# Altium PCB SHM.PcbDoc (part 3 of 3)
Units mil, origin at the board's own origin, x right, y up, seen from the top; angles counter-clockwise.
Board outline 4470 x 4125 mil, 4 copper layers (Top Layer, Ground plane, Power plane, Bottom Layer), stack 23.756 mil thick; 156 components, 117 nets, 776 pads, 684 vias.
Unrouted connection lines stored in the file: 45.
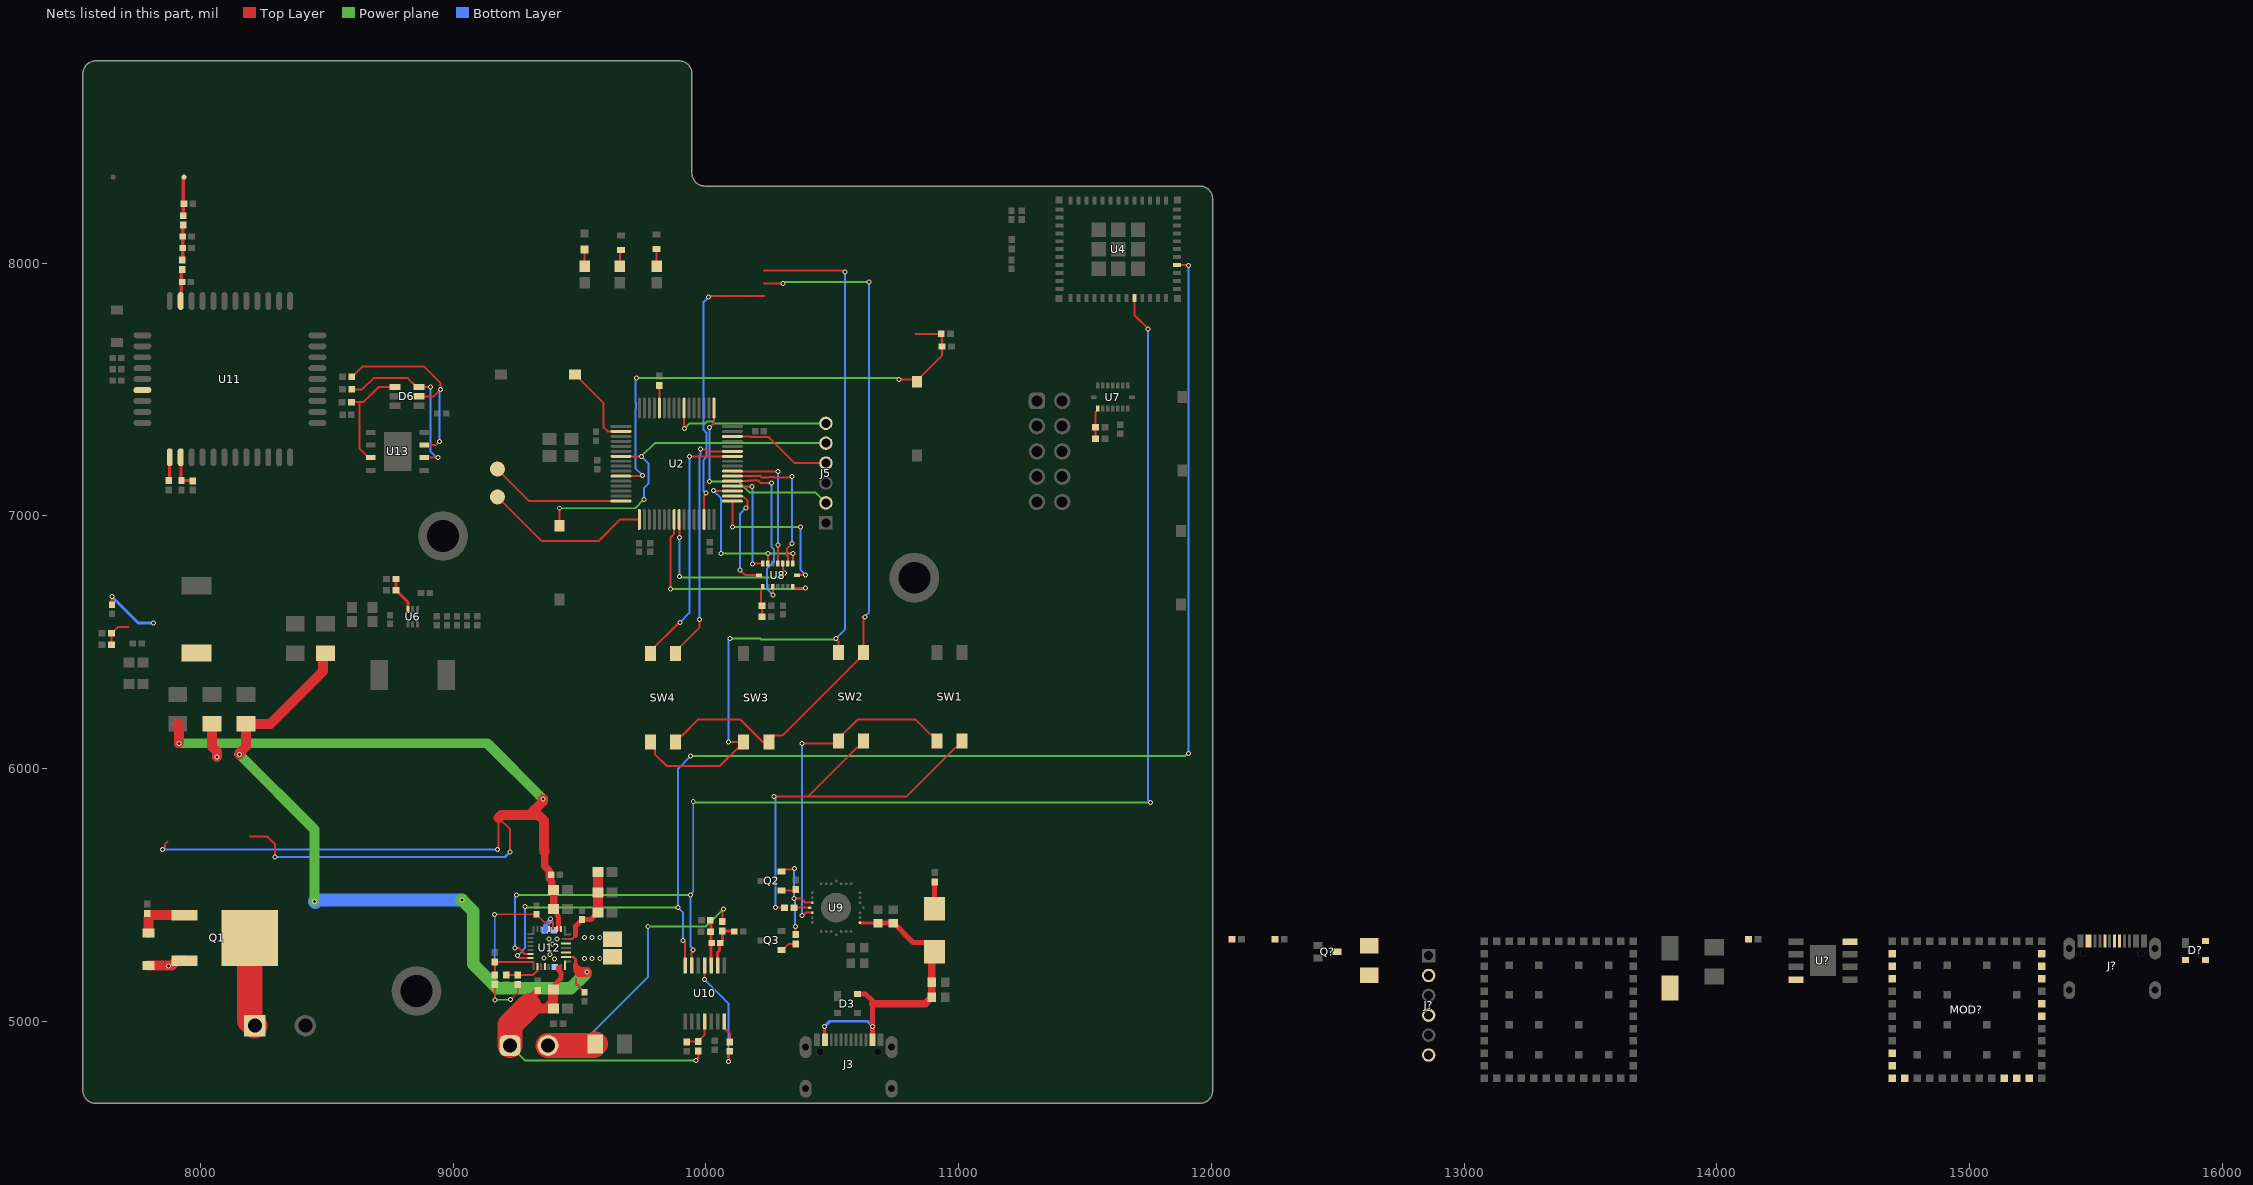
[diagram p5: the nets of this part, all layers, seen from the top]

## Via types
v1: diameter 19.68, hole 11.81, Top Layer to Bottom Layer, tented both sides, 684 vias

## Nets (pads, with @x,y where several pads share a name; then routed paths per layer and width w, separated by ;. In a path a pad name is that pad's centre, name@x,y a point inside that pad or via, vN(x,y) a via of type N, cw(c..) or ccw(c..) an arc to the next point about the centre after c; other vN are vias at no path point) (continued)
NetC44_1: C44.1 C46.2 R37.2 U10.10 | length 181.1
  Top Layer w11.81: C46.2@10017.32,5400 10019.61,5397.72 10019.61,5221.22 U10.10@10020.59,5220.24
NetC44_2: C44.2 C45.2 R34.2 U10.9 | length 194.4
  Top Layer w11.81: U10.9@10046.18,5220.24 10046.18,5272.74 10053.52,5280.08 10053.52,5306.2 10054.31,5306.2 10065,5316.89 R34.2@10065,5357.6 10066.3,5356.3 10111.38,5356.3 C45.2@10112.68,5355
NetC57_2: C57.2 C58.2 C59.2 R?.2@12625,5298.07 U12.2 U12.3 | length 5057.7
  Top Layer w7.87: v1(7850,5680) 7858.86,5688.86 7858.86,5701.14 7867.72,5710 7868.7,5710 ; 8195.08,5730.43 8264.57,5730.43 8295,5700 v1(8295,5650) ; v1(9175,5680) 9178.98,5683.98 9178.98,5805 9225,5758.98 v1(9225,5670)
  Top Layer w19.68: 9411.18,5420.81 9414.68,5417.3 9414.68,5411.73 9417.4,5409.01 9417.4,5366.77
  Top Layer w29.53: 9362.18,5670 9362.18,5612.82 9380,5595 9380,5565.11 9390.43,5554.68 9390.43,5525.04 9395.47,5520 C58.2@9397.42,5520 C57.2@9397.42,5445
  Top Layer w39.37: 7910,6176.93 7915,6171.93 v1(7915,6100) ; 9178.98,5805 9190.36,5816.38 9301.38,5816.38 ; v1(9355,5880) 9355,5870 9301.38,5816.38 ; 9362.18,5670 9362.18,5675.95 9359.14,5679 9359.14,5763.07 9359.03,5763.18 9359.03,5794.29 9336.94,5816.38 9301.38,5816.38
  Power plane w39.37: v1(7915,6100) 9135,6100 v1(9355,5880)
  Bottom Layer w7.87: v1(7850,5680) v1(9175,5680) ; v1(8295,5650) 9205,5650 v1(9225,5670)
NetC60_2: C60.2 R44.2 U11.32 | length 127.3
  Top Layer w13.78: U11.32@7921.77,7850 7923.65,7851.88 7923.65,7971.33 R44.2@7927.32,7975
NetC61_2: C61.2 C62.2 R44.1 R45.2 | length 139.7
  Top Layer w13.78: R44.1@7927.32,8012.4 7929.82,8014.9 7929.82,8147.5 R45.2@7932.32,8150
NetC63_2: C63.2 R45.1 RF_PCB1.1 | length 153.7
  Top Layer w13.78: R45.1@7932.32,8187.4 7932.32,8335.64 7935,8338.32 RF_PCB1.1@7935,8340
NetC64_1: C64.1 L4.2 U12.26
  other v1: 9392.99,5305.92 9379.06,5324.85 9410,5325 9520.07,5330.88 9550.07,5330.88 9580.07,5330.88
NetC64_2: C64.2 U12.19 | length 100.6
  Top Layer w7.87: v1(9385.46,5405.6) 9385.46,5402.4 9395.75,5392.12 9395.75,5364.8
  Bottom Layer w19.68: C64.2@9362.68,5360 9363.46,5360 9365.83,5362.36 9365.83,5378.76 9385.46,5398.39 v1(9385.46,5405.6)
NetC69_2: C69.2 L4.1 U12.28
  other v1: 9400.96,5245.44 9520.07,5249.12 9550.07,5249.12 9580.07,5249.12 9360,5250 9383.95,5264.52
NetD2_2: D2.2 Q1.1 R7.2 | length 206.9
  Top Layer w39.37: D2.2@7795,5349.37 7795,5410 7805,5420 Q1.1@7937.13,5420
NetD4_1: D4.1 R23.1 | length 106.7
  Top Layer w19.68: D4.1@10905,5444.65 R23.1@10905,5551.3
NetJ2_1: J2.1 Q1.2 | length 355.8
  Top Layer w100: Q1.2@8195,5330 8195,5002.48 J2.1@8215,4982.48
NetJ4_2: J4.2 R34.1 R36.1 | length 1277.8
  Top Layer w7.87: R34.1@10065,5395 10065,5440 v1(10070,5445)
  Top Layer w100: J4.2@9375,4903.86 9555.79,4903.86 R36.1@9561.93,4910
  Power plane w7.87: v1(9770,5375) 10000,5375 v1(10070,5445)
  Bottom Layer w7.87: J4.2@9375,4903.86 9498.86,4903.86 9770,5175 v1(9770,5375)
NetLED1_1: LED1.1 R1.1 | length 69
  Top Layer w7.87: R1.1@9805,7987.48 LED1.1@9805,8056.46
NetLED2_1: LED2.1 R2.1 | length 66
  Top Layer w7.87: R2.1@9660,7987.48 9660,8046.46 LED2.1@9665,8051.46
NetLED3_2: LED3.2 R3.1 | length 66
  Top Layer w7.87: R3.1@9520,7987.48 LED3.2@9520,8053.5
NetQ2_1: Q2.1 R41.1 | length 56.8
  Top Layer w7.87: Q2.1@10299.76,5517.6 10351.3,5517.6 R41.1@10355,5521.3
NetQ3_1: Q3.1 R46.1 | length 65.1
  Top Layer w7.87: Q3.1@10299.76,5282.6 10303.7,5282.6 10327.4,5306.3 R46.1@10355,5306.3
NetQ?_3: Q?.3 U11.39
NetR14_2: R14.2 U2.60 | length 90
  Top Layer w7.87: R14.2@9815,7516.3 9815.63,7515.67 U2.60@9815.63,7426.57
NetR18_1: R18.1 R19.2 R?.1@14126.3,5325 U?.4 | length 122.7
  Top Layer w7.87: R19.2@7648.7,6490 R18.1@7648.7,6535 7649.69,6535 7675,6560.31 7715.87,6560.31
NetR22_1: R22.1 R28.2 U6.6 | length 140.8
  Top Layer w11.81: R22.1@8773.7,6750 R28.2@8773.7,6705 8774.69,6705 8820.32,6659.37 U6.6@8820.32,6629.13
NetR24_2: R24.2 R26.2 U7.7 | length 123.3
  Top Layer w7.87: R26.2@11541.3,7305 R24.2@11541.3,7350 11541.3,7409.37 11551.34,7419.41 U7.7@11551.34,7424.13
NetR25_2: R25.2 R27.2 U8.7 | length 117.6
  Top Layer w7.87: R27.2@10217.6,6650 10217.6,6706.06 10225.94,6714.41 U8.7@10225.94,6719.13 ; R25.2@10221.3,6600 R27.2@10221.3,6645
NetR29_1: R29.1 R30.2 U10.4 | length 135.7
  Top Layer w7.87: R30.2@9925,4918.7 9926.3,4920 R29.1@9970,4920 9970,4920.98 9995,4945.98 U10.4@9995,4999.76
NetR31_1: R31.1 U11.1 | length 93.3
  Top Layer w11.81: R31.1@7875,7140 7876.73,7141.73 7876.73,7230.16 U11.1@7878.46,7231.89
NetR32_2: R32.2 R33.1 U11.2 | length 138.8
  Top Layer w11.81: U11.2@7921.77,7231.89 7923.39,7230.28 7923.39,7141.61 R33.1@7925,7140 7925.65,7139.35 7969.35,7139.35 R32.2@7970,7138.7
NetR35_2: R35.2 U9.25 | length 70.2
  Top Layer w7.87: R35.2@10348.7,5450 10415.39,5450 10417.87,5447.52
NetR38_1: R38.1 U10.11 | length 463
  Top Layer w7.87: v1(9995,5165) U10.11@9995,5220.24 ; v1(10090,4840) 10090,4876.3 R38.1@10095,4881.3
  Bottom Layer w7.87: v1(9995,5165) 10090,5070 v1(10090,4840)
NetR38_2: R38.2 U10.7 | length 90.7
  Top Layer w7.87: U10.7@10071.77,4999.76 10071.77,4975.16 10095,4951.93 R38.2@10095,4918.7
NetR43_1: R43.1 R47.2 U12.17 | length 146.9
  Top Layer w7.87: R47.2@9210,5183.7 R43.1@9255,5183.7 9316.81,5183.7 9332.76,5199.65 U12.17@9332.76,5217.17
NetR?_1: R?.1@12081.3,5325 R?.1@12251.3,5325
NetTP3_1: TP3.1 U2.16 | length 541.5
  Top Layer w7.87: TP3.1@9175,7185 9301.54,7058.46 U2.16@9664.06,7058.46
NetTP4_1: TP4.1 U2.17 | length 669.8
  Top Layer w7.87: TP4.1@9175,7075 9350,6900 9575,6900 9660.63,6985.63 U2.17@9736.89,6985.63
PH: C18.1 D?.1@13815,5131.26 L2.1 U?.8 | length 241.2
  Top Layer w11.81: C18.1@7650,6647.32 v1(7650,6680)
  Bottom Layer w11.81: v1(7650,6680) 7755,6575 v1(7815,6575)
REGN: C65.2 R43.2 R52.1 U12.5 | length 793.5
  Top Layer w6: v1(9164.2,5422.76) 9161.96,5425 9160,5425 9162.32,5422.68 C65.2@9330,5422.68 9330,5421.89 9364.4,5387.49 9371.54,5387.49 9376.27,5382.76 9376.79,5382.76 9378.33,5381.22 ; v1(9165,5085) R52.1@9165,5146.3 ; v1(9226.39,5085.16) 9255,5113.77 R43.2@9255,5146.3
  Top Layer w7.87: 9378.33,5381.22 9379.13,5381.22 9380,5380.35 U12.5@9380,5364.8
  Power plane w6: v1(9165,5085) 9226.23,5085 v1(9226.39,5085.16)
  Bottom Layer w6: v1(9164.2,5422.76) 9164.2,5085.8 v1(9165,5085)
RTS: Q2.2 R46.2 U9.24 | length 387.5
  Top Layer w7.87: Q2.2@10299.76,5592.4 10307.64,5600.28 10342.08,5600.28 10346.8,5605 v1(10350,5605) ; v1(10349.47,5484.82) 10378.55,5484.82 10394.2,5469.17 U9.24@10420.83,5469.17 ; R46.2@10355,5343.7 v1(10355,5375)
  Bottom Layer w7.87: v1(10349.47,5484.82) 10349.47,5604.47 v1(10350,5605) ; v1@10353.23,5476.77 10353.23,5376.77 v1(10355,5375)
SCL: U4.20 U10.13 U12.14 | length 5468.2
  Top Layer w7.87: v1(9245,5290) 9258.63,5290 9282.25,5266.38 U12.14@9305.2,5266.38 ; U10.13@9943.82,5220.24 9943.82,5273.25 9949.52,5278.96 v1(9949.52,5282.15) ; U4.20@11695.24,7862.09 11695.24,7794.76 v1(11750,7740)
  Power plane w7.87: v1(9250,5500) v1(9940,5500) ; v1(9950,5870) 9955,5865 v1(11760,5865)
  Bottom Layer w7.87: v1(9245,5290) 9245,5495 v1(9250,5500) ; v1(9949.52,5282.15) 9949.52,5285.48 9940,5295 v1(9940,5500) 9940,5503.2 9950,5513.2 v1(9950,5870) ; v1(11750,7740) 11750,5875 v1(11760,5865)
SDA: U4.28 U10.14 U12.15 | length 5684
  Top Layer w7.87: v1(9255,5260) 9255,5256.8 9259.61,5252.19 9259.61,5250.63 U12.15@9305.2,5250.63 ; v1(9910,5320) 9918.23,5311.77 U10.14@9918.23,5220.24 ; U4.28@11864.53,7992.01 11907.99,7992.01 v1(11910,7990)
  Power plane w7.87: v1(9285,5455) 9290,5450 v1(9890,5450) ; v1(9940,6050) 11896.8,6050 11906.8,6060 v1(11910,6060)
  Bottom Layer w7.87: v1(9255,5260) 9285,5290 v1(9285,5455) ; v1(9910,5320) 9910,5430 v1(9890,5450) 9890,6000 v1(9940,6050) ; v1(11910,6060) v1(11910,7990)
SDRV_1: C66.2 U12.24 | length 67.8
  Top Layer w7.87: 9486.15,5168.38 9486.15,5149.29 9520,5115.43 C66.2@9520,5114.65
SIM_CLK: D6.6 R49.1 U13.6 | length 694.6
  Top Layer w7.87: R49.1@8598.7,7500 8640,7500 8685,7545 8820.43,7545 8855.63,7509.8 D6.6@8864.49,7509.8 8909.8,7509.8 v1(8910,7510) ; U13.6@8885.31,7230 v1(8940,7230)
  Bottom Layer w7.87: v1(8910,7510) 8910,7255 8935,7230 v1(8940,7230)
SIM_DATA: D6.1 R48.1 U13.3 | length 441.2
  Top Layer w7.87: R48.1@8597.4,7450 8630,7450 ; U13.3@8674.68,7230 8665.63,7230 8630,7265.63 8630,7450 ; D6.1@8770,7509.8 8704.8,7509.8 8645,7450 8630,7450
SIM_RST: D6.5 R50.1 U13.7 | length 789.7
  Top Layer w7.87: R50.1@8598.7,7550 8599.69,7550 8639.69,7590 8885,7590 8950,7525 v1(8950,7500) 8922.4,7472.4 D6.5@8864.49,7472.4 ; U13.7@8885.31,7280 8930,7280 v1(8945,7295)
  Bottom Layer w7.87: v1(8945,7295) 8945,7495 v1(8950,7500)
STM32_AC_CS: MOD?.33@15285.28,5266.46 U2.38 U8.14 | length 594.3
  Top Layer w7.87: U2.38@10105,7156.89 10215.34,7156.89 10221.01,7151.22 10247.59,7151.22 10250.15,7153.78 10269.85,7153.78 10272.41,7151.22 10333.02,7151.22 10336.8,7155 v1(10340,7155) ; U8.14@10324.37,6810.87 10324.37,6837 10321.22,6840.15 10321.22,6871.22 v1(10340,6890)
  Bottom Layer w7.87: v1(10340,6890) v1(10340,7155)
STM32_BMI_INT_1: MOD?.29@15285.28,5069.61 U2.33 U8.16 | length 606.4
  Top Layer w7.87: v1(10105,6955) U2.33@10105,7058.46 ; U8.16@10360.39,6765 v1(10395,6765)
  Power plane w7.87: v1(10105,6955) v1(10375,6955)
  Bottom Layer w7.87: v1(10375,6955) 10375,6785 v1(10395,6765)
STM32_BMI_INT_2: U2.24 U8.1 | length 872.9
  Top Layer w7.87: v1(9860,6711.26) 9860,6710 9860,6913.63 9874.68,6928.31 U2.24@9874.68,6985.63 ; U8.1@10344.06,6719.13 10344.06,6717.95 10347.01,6715 v1(10395,6715)
  Power plane w7.87: v1(9860,6711.26) 10391.26,6711.26 v1(10395,6715)
STM32_BMI_INT_3: U2.39 U8.12 | length 544.8
  Top Layer w7.87: U2.39@10105,7176.57 10105.75,7175.82 10284.18,7175.82 v1(10285,7175) ; U8.12@10285,6810.87 v1(10285,6885)
  Bottom Layer w7.87: v1(10285,6885) v1(10285,7175)
STM32_BMI_INT_4: U2.25 U8.13 | length 695.4
  Top Layer w7.87: U2.25@9894.37,6985.63 9894.68,6985.31 9894.68,6915.31 v1(9895,6915) ; U8.13@10304.68,6810.87 10304.68,6785.31 10315,6775 10313.54,6773.54 v1(10310.96,6773.54)
  Power plane w7.87: v1(9895,6760) 9898.78,6756.22 10293.65,6756.22 v1(10310.96,6773.54)
  Bottom Layer w7.87: v1(9895,6760) v1(9895,6915)
STM32_GYRO_CS: MOD?.31@15285.28,5168.03 U2.37 U8.5 | length 661.3
  Top Layer w7.87: U2.37@10105,7137.2 10166.39,7137.2 10168.27,7139.09 10207.99,7139.09 10217.08,7130 v1(10260,7130) ; U8.5@10265.32,6719.13 10265.32,6689.69 10266.14,6688.86 v1(10266.14,6686.56)
  Bottom Layer w7.87: v1(10260,7130) 10260,6876.37 10268.78,6867.59 10268.78,6817.41 10241.22,6789.85 10241.22,6711.48 v1(10266.14,6686.56)
STM32_MISO: MOD?.21@15186.86,4774.33 U2.35 U8.10 U8.15 | length 702.2
  Top Layer w7.87: v1(10030,7100) 10032.17,7097.83 U2.35@10105,7097.83 ; v1(10245,6850) 10245.31,6849.69 10245.31,6811.18 U8.10@10245.63,6810.87 ; U8.15@10344.06,6810.87 10344.53,6811.34 10344.53,6849.53 v1(10345,6850)
  Power plane w7.87: v1(10060,6850) v1(10345,6850)
  Bottom Layer w7.87: v1(10030,7100) 10060,7070 v1(10060,6850)
STM32_MOSI: MOD?.20@15137.65,4774.33 U2.36 U8.9 | length 429.9
  Top Layer w7.87: U2.36@10105,7117.52 10105.75,7116.77 10181.85,7116.77 v1(10183.31,7115.31) ; v1(10185,6810) 10185.87,6810.87 U8.9@10225.94,6810.87
  Bottom Layer w7.87: v1(10183.31,7115.31) 10185,7117 v1(10185,6810)
STM32_RESET: J5.5 SW6.1 U2.7 | length 1446.1
  Top Layer w7.87: SW6.1@9420,6960.67 v1(9420,7030) ; U2.7@9664.06,7235.63 9664.37,7235.31 9744.69,7235.31 v1(9745,7235)
  Power plane w7.87: v1(9420,7030) 9720,7030 v1(9755,7065) ; v1(9745,7235) 9798.78,7288.78 10471.22,7288.78 10475,7285 J5.5@10475,7287.48
  Bottom Layer w7.87: v1(9745,7235) 9773.78,7206.22 9773.78,7128.41 9755,7109.63 v1(9755,7065)
STM32_RX: SW4.3 U2.43 | length 981
  Top Layer w7.87: SW4.3@9880,6455.39 9880,6463.27 9975,6558.27 v1(9975,6590) ; v1(9978.35,7265) 9980.61,7262.74 9996.51,7262.74 10003.94,7255.31 U2.43@10105,7255.31
  Bottom Layer w7.87: v1(9975,6590) 9975,7239.41 9978.35,7242.76 v1(9978.35,7265)
STM32_SCK: MOD?.22@15236.07,4774.33 U2.34 U8.8 | length 443.1
  Top Layer w7.87: U2.34@10105,7078.15 10105.75,7077.4 10146.56,7077.4 10165,7058.95 10165,7030 10163.65,7031.35 v1(10158.22,7031.35) ; v1(10135,6785) 10155,6765 U8.8@10209.61,6765
  Bottom Layer w7.87: v1(10135,6785) 10135,7008.13 v1(10158.22,7031.35)
STM32_TX: SW4.4 U2.42 | length 1016
  Top Layer w7.87: SW4.4@9780,6455.39 9780,6463.27 9891.73,6575 9895,6575 9895,6575.8 v1(9897.7,6578.51) ; v1(9935,7235) 9935.31,7235.31 10104.68,7235.31 U2.42@10105,7235.63
  Bottom Layer w7.87: v1(9897.7,6578.51) 9935,6615.8 v1(9935,7235)
STM_BUTTON: SW9.1 U2.2 | length 335
  Top Layer w7.87: SW9.1@9481.34,7560 9485.28,7560 9501.02,7544.25 9501.02,7540.31 9595,7446.34 9595,7350 9610.94,7334.06 U2.2@9664.06,7334.06
SWDCLK: J5.2 U2.49 | length 793.4
  Top Layer w7.87: v1(10015,7350) 10032.17,7367.17 U2.49@10032.17,7426.57
  Power plane w7.87: v1(10015,7135) 10129.99,7135 10173.46,7091.53 10434.73,7091.53 J5.2@10475,7051.26
  Bottom Layer w7.87: v1(10015,7135) v1(10015,7350)
SWDCLK_UWB: J?.2 MOD?.28@15285.28,5020.39
SWDIO: J5.4 U2.46 | length 413.8
  Top Layer w7.87: U2.46@10105,7314.37 10173.73,7314.37 10177.12,7310.98 10249.02,7310.98 10351.26,7208.74 J5.4@10475,7208.74
SWDIO_UWB: J?.4 MOD?.10@14694.73,4823.54
SWO: J5.6 U2.55 | length 657
  Top Layer w7.87: U2.55@9914.06,7426.57 9914.06,7345.94 v1(9915,7345)
  Power plane w7.87: v1(9915,7345) 9936.22,7366.22 9997.59,7366.22 10005.15,7373.78 10024.85,7373.78 10032.41,7366.22 J5.6@10475,7366.22
SWO_UWB: J?.6 MOD?.9@14694.73,4872.76
TS: R52.2 R53.1 | length 202.6
  Top Layer w7.87: R52.2@9165,5183.7 R53.1@9165,5235 9240.45,5235 9240.57,5234.88 9314.55,5234.88 9315.78,5233.65
USB_RX: R35.1 SW1.2 SW2.2 | length 1633.1
  Top Layer w7.87: v1(10270,5890) 10404.55,5890 ; v1(10275,5450) R35.1@10311.3,5450 ; SW2.2@10624.1,6109.55 10624.1,6101.68 10606.39,6083.96 10598.51,6083.96 10404.55,5890 ; SW1.2@11014.1,6109.55 11014.1,6101.68 10996.39,6083.96 10988.51,6083.96 10794.55,5890 10404.55,5890
  Bottom Layer w7.87: v1(10270,5890) 10275,5885 v1(10275,5450)
USB_TX: SW1.1 SW2.1 U9.26 | length 1345.8
  Top Layer w7.87: v1(10379.44,5417.56) 10382.63,5417.56 10394.88,5429.8 U9.26@10420.83,5429.8 ; v1(10380,6100) 10514.55,6100 SW2.1@10524.1,6109.55 10524.1,6117.42 10600,6193.32 10830.33,6193.32 10888.51,6135.14 10896.39,6135.14 10914.1,6117.42 SW1.1@10914.1,6109.55
  Bottom Layer w7.87: v1(10379.44,5417.56) 10379.72,5417.84 10379.72,6099.72 v1(10380,6100)
USB_UWB_N: D?.2@15855.63,5242.6 J?.A7 J?.B7 MOD?.2@14694.73,5217.24
USB_UWB_P: D?.3 J?.B6 MOD?.1@14694.73,5266.46
UWB_GPIO9: U2.30 | length 1124.9
  Top Layer w7.87: U2.30@9992.8,6985.63 9992.8,7079.6 10000,7086.8 v1(10000,7090) ; v1(10010,7865) 10015,7870 10230,7870
  Bottom Layer w7.87: v1(10000,7090) 9991.22,7098.78 9991.22,7221.74 10002.13,7232.65 10002.13,7329.24 9991.22,7340.15 9991.22,7846.22 v1(10010,7865)
UWB_RESET: MOD?.32@15285.28,5217.24 R39.1 R40.2 SW5.1 U2.11 | length 1930.7
  Top Layer w7.87: U2.11@9664.06,7156.89 9746.89,7156.89 v1(9750,7160) ; v1(10765,7540) 10825.67,7540 SW5.1@10835,7530.67 10835,7534.61 10935,7634.61 R40.2@10935,7670 10935,7705 10920,7720 10830,7720
  Power plane w7.87: v1(9725,7545) 10760,7545 v1(10765,7540)
  Bottom Layer w7.87: v1(9725,7545) 9721.22,7541.22 9721.22,7447.41 9723.78,7444.85 9723.78,7425.15 9721.22,7422.59 9721.22,7188.78 v1(9750,7160)
UWB_RX: MOD?.12@14743.95,4774.33 SW2.4 SW3.1 SW4.1 | length 3222.6
  Top Layer w7.87: SW4.1@9780,6105 9797.72,6087.28 9797.72,6057.28 9845,6010 10054.55,6010 10123.51,6078.96 10131.39,6078.96 10149.1,6096.68 SW3.1@10149.1,6104.55 10090.45,6104.55 v1(10090,6105) ; 10230,7970 10545,7970 v1(10550,7965) ; SW2.4@10515,6469.05 SW2.4@10524.1,6459.94 10524.1,6502.7 10515,6511.8 v1(10515,6515)
  Power plane w7.87: v1(10095,6515) 10214.63,6515 10218.41,6511.22 10511.22,6511.22 v1(10515,6515)
  Bottom Layer w7.87: v1(10090,6105) 10090,6510 v1(10095,6515) ; v1(10515,6515) 10550,6550 v1(10550,7965)
UWB_TX: MOD?.11@14694.73,4774.33 SW2.3 SW3.2 SW4.2 | length 2879.2
  Top Layer w7.87: SW4.2@9880,6105 9880,6112.87 9897.72,6130.59 9905.59,6130.59 9970,6195 10135,6195 10225,6105 10248.65,6105 SW3.2@10249.1,6104.55 10249.1,6112.42 10266.82,6130.14 10302.17,6130.14 10624.1,6452.07 SW2.3@10624.1,6459.94 10624.1,6595.9 10620,6600 10620.43,6600.43 v1(10629.22,6600.43) ; 10230,7920 v1(10305,7920)
  Power plane w7.87: v1(10305,7920) 10310,7925 v1(10645,7925)
  Bottom Layer w7.87: v1(10629.22,6600.43) 10645,6616.21 v1(10645,7925)
V_IN: D2.1 Q1.3 R17.1 R?.1@12625,5181.93 | length 290.4
  Top Layer w39.37: D2.1@7795,5220.63 7887.44,5220.63 7906.81,5240 Q1.3@7937.13,5240 ; R17.1@8045,6176.93 8045,6087.36 8065,6067.36 v1(8065,6045)
  other v1: 7873.5,5219.02
VBAT: C70.2 C71.2 J4.1 R29.2 R51.1 | length 1317.7
  Top Layer w7.87: v1(9960,4845) 9970,4855 R29.2@9970,4882.6
  Top Layer w19.68: C71.2@9403.27,5140.47 9403.27,5146.03 9426.96,5169.72 9426.96,5191.58 9421.34,5197.2 9421.34,5198.23 9417.4,5202.17 9417.4,5213.23 9420.94,5209.69 9421.34,5209.69
  Top Layer w29.53: 9300,5060 9300,5086.3 R51.1@9335,5121.3
  Top Layer w39.37: 9300,5060 9310,5050 9370,5050 9395.35,5075.35 9395.35,5124.88 9395.47,5125 C71.2@9397.42,5125
  Top Layer w100: J4.1@9225,4903.86 9225,4985 9300,5060
  Power plane w7.87: J4.1@9225,4903.86 9283.86,4845 v1(9960,4845)
VSYS: C53.2 C54.2 C55.2 C56.2 R16.2 R21.2 U12.25 | length 3151.8
  Top Layer w7.87: U12.25@9446.93,5254.57 9475.43,5254.57 9480,5250 ; 9447.91,5325.43 9470.43,5325.43 9485,5340
  Top Layer w11.81: 9480,5250 9485,5245 9485,5225
  Top Layer w19.68: 9485,5225 9485,5210 9495,5200 ; 9485,5340 9485,5376.89 9510,5401.89 C56.2@9510,5402.68 9545.1,5402.68 9556.63,5414.21 9556.63,5416.15 9570.47,5430 C53.2@9572.42,5430
  Top Layer w39.37: v1(8155,6055) 8155,6062.36 8180,6087.36 R16.2@8180,6176.93 8276.93,6176.93 8485,6385 8485,6446.93 R21.2@8495,6456.93 ; 9495,5200 9500,5195 v1(9530,5195) ; C53.2@9572.42,5430 C54.2@9572.42,5510 C55.2@9572.42,5590
  Power plane w39.37: v1(8155,6055) 8450.5,5759.5 v1(8450.5,5473.97)
  Power plane w50: v1(9035,5480) 9080,5435 9080,5225 9175,5130 9465,5130 9522.5,5187.5
  Bottom Layer w50: v1(8450.5,5473.97) 8454.47,5470 8455,5470 8465,5480 v1(9035,5480)
VUSB: C40.2 C41.2 C47.2 C48.2 D3.4 D4.2 J3.A4B9 J3.B4A9 U9.8 | length 1247.4
  Top Layer w11.81: v1(10470,4980) 10470,4927.41 J3.A4B9@10470.51,4926.9 ; U9.8@10609.8,5390.43 10611.72,5388.51 C48.2@10681.11,5388.51
  Top Layer w19.68: D3.4@10599.37,5107.4 10632.6,5107.4 10659.49,5080.51 10659.49,5070 J3.B4A9@10659.49,4926.9 ; C48.2@10681.11,5388.51 C47.2@10741.11,5388.51 10743.08,5388.51 10819.82,5311.77 10873.5,5311.77 10905,5280.28 D4.2@10905,5275.35 D4.2@10893.43,5263.78
  Top Layer w29.53: 10659.49,5070 10868.43,5070 C40.2@10884.57,5086.14 ; C40.2@10893.43,5095 C41.2@10893.43,5155 D4.2@10893.43,5263.78
  Bottom Layer w11.81: v1(10470,4980) 10490,5000 10640,5000 v1(10660,4980)
VUSB_UWB: D?.4 J?.A4B9 MOD?.3@14694.73,5168.03
pads on no net: D6.3 J1.10 J3. J3.A5 J3.A8 J3.B5 J3.B8 J?. J?.5 J?.A5 J?.A6 J?.A8 J?.B1A12 J?.B4A9 J?.B5 J?.B8 MOD?.1@13079.73,5266.46 MOD?.2@13079.73,5217.24 MOD?.3@13079.73,5168.03 MOD?.4 MOD?.5 MOD?.6 MOD?.7 MOD?.8 MOD?.9@13079.73,4872.76 MOD?.10@13079.73,4823.54 MOD?.11@13079.73,4774.33 MOD?.12@13128.95,4774.33 MOD?.13 MOD?.14@13227.36,4774.33 MOD?.15 MOD?.16 MOD?.17 MOD?.18 MOD?.19 MOD?.20@13522.65,4774.33 MOD?.21@13571.86,4774.33 MOD?.22@13621.07,4774.33 MOD?.23 MOD?.24 MOD?.25 MOD?.26 MOD?.27 MOD?.28@13670.28,5020.39 MOD?.29@13670.28,5069.61 MOD?.30 MOD?.31@13670.28,5168.03 MOD?.32@13670.28,5217.24 MOD?.33@13670.28,5266.46 MOD?.34@13670.28,5315.67 MOD?.35@13621.06,5315.67 MOD?.36@13571.85,5315.67 MOD?.37@13522.64,5315.67 MOD?.38@13473.43,5315.67 MOD?.39@13424.21,5315.67 MOD?.40@13375,5315.67 MOD?.41@13325.79,5315.67 MOD?.42@13276.57,5315.67 MOD?.43@13227.37,5315.67 MOD?.44@13178.16,5315.67 MOD?.45@13128.95,5315.67 MOD?.46@13079.73,5315.67 MOD?.47@14793.15,4867.82 MOD?.48@14911.26,4867.82 MOD?.49@15068.74,4867.82 MOD?.50@15186.85,4867.82 MOD?.51@14793.15,4985.93 MOD?.52@14911.26,4985.93 MOD?.53@15068.74,4985.93 MOD?.54@14793.15,5104.04 MOD?.55@14911.26,5104.04 MOD?.56@15186.86,5104.06 MOD?.57@14793.16,5222.17 MOD?.58@14911.27,5222.17 MOD?.59@15068.75,5222.17 MOD?.60@15186.86,5222.17 Q?.1 R42.2 R51.2 R?.2@12288.7,5325 U2.3 U2.4 U2.8 U2.9 U2.10 U2.14 U2.15 U2.22 U2.26 U2.27 U2.28 U2.29 U2.40 U2.41 U2.44 U2.45 U2.50 U2.51 U2.52 U2.53 U2.54 U2.56 U2.57 U2.58 U2.59 U2.61 U2.62 U4.4 U4.7 U4.21 U4.32 U4.33 U4.34 U4.35 U9.1 U9.2 U9.9 U9.10 U9.11 U9.12 U9.13 U9.14 U9.15 U9.16 U9.17 U9.18 U9.19 U9.20 U9.21 U9.22 U9.23 U9.27 U10.1 U10.2 U10.3 U10.12 U11.3 U11.4 U11.5 U11.6 U11.7 U11.9 U11.10 U11.11 U11.12 U11.14 U11.20 U11.22 U11.24 U11.25 U11.26 U11.28 U11.29 U11.38 U11.40 U11.41 U11.42 U12.1 U12.6 U12.7 U12.8 U12.9 U12.10 U12.11 U12.12 U12.13 U12.16 U12.18 U12.20 U12.21 U12.22 U12.23 U12.29 U12.30 U12.31 U12.32 U12.33 U13.2 U13.4 U13.5 U?.2 U?.3 U?.5
copper on no net: | length 3137.4
  Top Layer w6: 9335,5158.7 9335,5183.17 9347.57,5195.74 9347.57,5215.24 9348.5,5216.18
  Top Layer w7.87: 7782.4,5645 7831.3,5645 ; 7783.7,5710 7830.31,5710 ; 7810,5770 7810,5730.31 7830.31,5710 ; 7810,5804.65 7812.76,5807.4 7855,5807.4 ; 7855,5770 7855,5770.98 7863.86,5779.84 7884.39,5779.84 7911.61,5807.07 7954.78,5807.07 7954.92,5807.2 ; 7868.7,5645 7869.69,5645 7878.54,5653.86 7878.54,5671.2 7905,5697.66 7905,5736.43 7919.67,5751.1 7950,5751.1 7954.92,5756.02 ; 7921.3,6050 7921.3,6005 7920.31,6005 7911.46,5996.14 7911.46,5995.16 7900,5983.7 7900,5919.75 7910.18,5909.57 7954.92,5909.57 ; 7954.92,5730.43 7959.84,5725.51 7990.17,5725.51 7998.23,5717.45 7998.23,5650.12 7968.11,5620 7967.32,5620 ; 7954.92,5781.61 7950,5776.69 7916.69,5776.69 7877.86,5737.86 7853.28,5737.86 7841.14,5725.72 7841.14,5718.86 7832.28,5710 7831.3,5710 7830.31,5710 ; 7954.92,5935.16 7975.61,5935.16 7980.53,5940.08 7980.53,5975.1 8015,6009.57 8015,6010.35 ; 9332.76,5358.9 9332.76,5364.8 ; v1(9360,4995) 9391.3,4995 9396.3,4990 ; v1(9363.93,5179.8) 9364.25,5180.12 9364.25,5216.77 ; 9380,5215.2 9380,5197.59 v1(9396.24,5181.36) ; 10090.92,7803.52 10124.44,7770 10230,7770 ; 10095,7680 10135,7720 10230,7720 ; 10830,8120 10835.24,8125.24 10876.57,8125.24 10886.33,8135 v1(10910,8135)
  Top Layer w11.81: v1(7944.73,5967.83) 7945,5968.09 7945,5975 7950.83,5980.83 7950.83,5998.11 7957.72,6005 7958.7,6005
  Top Layer w13.78: 8195.08,5704.84 8215.35,5704.84 8217.32,5702.87 8217.32,5635
  Top Layer w19.68: 8195.08,5945 8195.08,6006.31 8212.82,6024.05 8212.82,6030 ; v1(10154.39,8137.47) 10155,8136.87 10155,8135 10170,8120 10230,8120 10230,8170 ; 10830,8070 10830,8120
  Top Layer w25: 8685,5650 8685,5757.68
  Top Layer w29.53: 8653.07,5580 8668.82,5595.75 8668.82,5633.82 8685,5650
  Top Layer w39.37: 7705,5870 7840,5870 v1(7893.43,5870) 7931.85,5870 7935,5873.15
  Bottom Layer w7.87: v1(9360,4995) 9390.32,5025.31 9390.32,5156.42 9395.02,5161.12 9395.02,5180.14 v1(9396.24,5181.36)
  Bottom Layer w11.81: v1(7893.43,5870) 7900,5876.57 7900,5923.09 v1(7944.73,5967.83)
  Bottom Layer w19.68: v1(10135,8020) 10151.89,8036.89 v1@10151.89,8137.47 ; v1(10910,8135) 10910,8015 v1(10915,8010)
  Bottom Layer w25: v1(9363.93,5179.8) v1(9363.93,5179.8) 9363.89,5194.75 9367.18,5198.05 9367.18,5214.7 9367.48,5215 9367.68,5215

## Polygon pours and split planes (outlines as drawn)
DGND on Top Layer "NONET_L01_P021" (solid, remove dead copper, shelved, pour order 21): 12035,8310 12070,8275 12070,4710 11985,4625 7475,4625 7480,4630 7480,8310
NetC69_2 on Top Layer "NONET_L01_P020" (solid, shelved, pour order 20): 9464.65,5267.72 9423.07,5267.72 9418.07,5262.72 9418.07,5247.72 9405.35,5235 9342.28,5235 9342.28,5266.93 9350.35,5275 9464.65,5275
NetC64_1 on Top Layer "NONET_L01_P011" (solid, shelved, pour order 11): 9465,5315 9430,5315 9425,5320 9425,5335 9420,5340 9372.96,5340 9361.34,5328.38 9361.34,5303.66 9365,5300 9408.32,5300 9413.32,5305 9465,5305
no net on Top Layer "COIL_DCDC_2" (solid, shelved, pour order 5): 8055.02,6399.98 8055.02,6594.98 7738.52,6594.98 7738.52,6575.02 7784.98,6575.02 7835.02,6524.98 7835.02,6439.98 7875.02,6399.98
4v3@3A on Top Layer "COIL_DCDC_1" (solid, shelved, pour order 4): 7755.18,6853.64 7951.69,6853.64 8071.69,6768.64 8071.69,6633.64 7755.18,6633.64 7755.18,6808.64
no net on Top Layer "COIL_DCDC_2" (solid, shelved, pour order 3): 8071.71,6393.62 8071.71,6588.62 7755.2,6588.62 7755.2,6568.65 7801.67,6568.65 7851.71,6518.62 7851.71,6433.62 7891.71,6393.62
NetC24_2 on Top Layer "NONET_L01_P002" (solid, shelved, pour order 2): 7755.2,6568.36 7755.2,6535.12 7755.2,6305.12 7806.69,6253.64 7836.69,6253.64 7881.69,6298.64 7881.69,6388.64 7841.69,6428.64 7841.69,6513.64 7786.56,6568.76
no net on Top Layer "NONET_L01_P001" (solid, shelved, pour order 1): 8165,5845 8570,5845 8635,5780 8635,5680 8620,5665 8365,5665 8235,5795 8165,5795
no net on Top Layer "NONET_L01_P000" (solid, shelved, pour order 0): 8250,6055 8250,5940 8230,5920 8165,5920 8160,5915 8160,5850 8165,5845 8330,5845 8370,5885 8635,5885 8650,5870 8650,5795 8665,5780 8700,5780 8745,5735 8870,5735 8895,5760 8895,5880 8635,6140 8335,6140
NetC64_1 on Top Layer "NONET_L01_P010" (solid, remove dead copper, shelved, pour order 10): 9504.45,5352.5 9504.45,5305 9609.45,5305 9609.45,5347.5 9614.45,5352.5
NetC69_2 on Top Layer "NONET_L01_P009" (solid, remove dead copper, shelved, pour order 9): 9504.45,5227.5 9504.45,5275 9609.45,5275 9609.45,5232.5 9614.45,5227.5
NetC29_1 on Top Layer "COIL_DCDC_2" (solid, shelved, pour order 8): 8659.98,6289.98 8854.98,6289.98 8854.98,6606.48 8835.02,6606.48 8835.02,6560.02 8784.98,6509.98 8699.98,6509.98 8659.98,6469.98
3v3_dig@2A on Top Layer "COIL_DCDC_1" (solid, shelved, pour order 7): 9113.64,6589.82 9113.64,6393.31 9028.64,6273.31 8893.64,6273.31 8893.64,6589.82 9068.64,6589.82
NetC35_2 on Top Layer "NONET_L01_P006" (solid, shelved, pour order 6): 8828.36,6589.8 8795.12,6589.8 8565.12,6589.8 8513.64,6538.31 8513.64,6508.31 8558.64,6463.31 8648.64,6463.31 8688.64,6503.31 8773.64,6503.31 8828.76,6558.44
DGND on Bottom Layer "NONET_L04_P016" (solid, remove dead copper, shelved, pour order 16): 12037.6,8307.4 12067.6,8277.4 12067.6,4712.4 11982.6,4627.4 7472.6,4627.4 7477.6,4632.4 7477.6,8307.4
NetC69_2 on Bottom Layer "NONET_L04_P012" (solid, shelved, pour order 12): 9350,5230 9385,5230 9390,5225 9390,5205 9415,5205 9415,5265 9400,5280 9360,5280 9350,5270
NetC64_1 on Bottom Layer "NONET_L04_P015" (solid, shelved, pour order 15): 9370,5372.5 9428.95,5372.5 9428.95,5316.45 9410,5297.5 9370,5297.5
3v3_dig@2A on Power plane "NONET_L03_P018" (solid, remove dead copper, shelved, pour order 18): 7941.24,6041.24 10150,8250 11965,8250 11975,8260 12015,8220 12015,4710 11935,4630 11925,4640 7909.02,4640
V_IN on Power plane "NONET_L03_P013" (solid, remove dead copper, shelved, pour order 13): 8417.8,6127.8 8410.59,6135 7560,6135 7560,4700 7550,4690 7565,4675 7965,4675 7965,5070 8010,5115 8010,5890
4v3@3A on Power plane "NONET_L03_P022" (solid, shelved, pour order 22): 10140,8235 8595,6690 8595,6305 8415,6125 7525,6125 7525,8235
NetC64_1 on Power plane "NONET_L03_P017" (solid, shelved, pour order 17): 9595,5355 9595,5300 9395,5300 9380,5315 9380,5345 9390,5355
NetC69_2 on Power plane "NONET_L03_P014" (solid, shelved, pour order 14): 9595,5230 9595,5275 9370,5275 9355,5260 9355,5230 9365,5220 9585,5220
DGND on Ground plane "NONET_L02_P019" (solid, remove dead copper, shelved, pour order 19): 12037.6,8307.4 12067.6,8277.4 12067.6,4712.4 11982.6,4627.4 7472.6,4627.4 7477.6,4632.4 7477.6,8307.4

## Keep-outs
Keep-Out Layer:
  lines w10: 7535,4725 ccw(c7585,4725) 7585,4675 11945,4675 11955,4675 ccw(c11955,4725) 12005,4725 12005,8255 ccw(c11955,8255) 11955,8305 9995,8305 cw(c9995,8355) 9945,8355 9945,8750 ccw(c9895,8750) 9895,8800 7585,8800 ccw(c7585,8750) 7535,8750 7535,4725

## Silkscreen, mask and mechanical layers (free items; w line width, h text height)
Top Overlay:
  circle w10: c8960,6920 r137.8
  circle w10: c8855,5120 r137.8
  circle w10: c10825,6755 r137.8
  text "SHM V1.0" at 7990,8005 h400
  text "STM_BUTTON" at 9136.59,7391.88 h78.74
  text "ESP_RST" at 11775,7210 h78.74 r90
  text "UWB_RST" at 10700,7180 h78.74
  text "JTAG" at 11210.23,7136.69 h78.74 r90
  text "ESP_BUTTON" at 11774.12,6617.09 h78.74 r90
  text "STM_RST" at 9278.55,6606.02 h78.74
  text "USB-ESP" at 10860,6535 h78.74
  text "STM - UWB" at 9690,6530 h78.74
  text "ESP - UWB" at 10090,6530 h78.74
  text "USB-UWB" at 10470,6530 h78.74

## Dimensions
7535,8750 to 9945,8750 on Mechanical 1
7585,4675 to 7585,8800 on Mechanical 1
12005,4725 to 7535,4725 on Mechanical 1
11955,8305 to 11955,4675 on Mechanical 1

## Text inside footprints (layer, text, board x,y; h text height)
J1: Top Overlay "2" at 11395.43,7550.67 h40 r270; Top Overlay "1" at 11289.13,7538.86 h40 r270; Top Overlay "9" at 11289.13,6986.89 h40 r270; Top Overlay "10" at 11395.43,6986.89 h40 r270
MOD?: Top Overlay "*" at 14625.98,5236.95 h39.37
MOD?: Top Overlay "*" at 13010.98,5236.95 h39.37